# Altium PCB MB1397.PcbDoc (part 4 of 11) (continued)
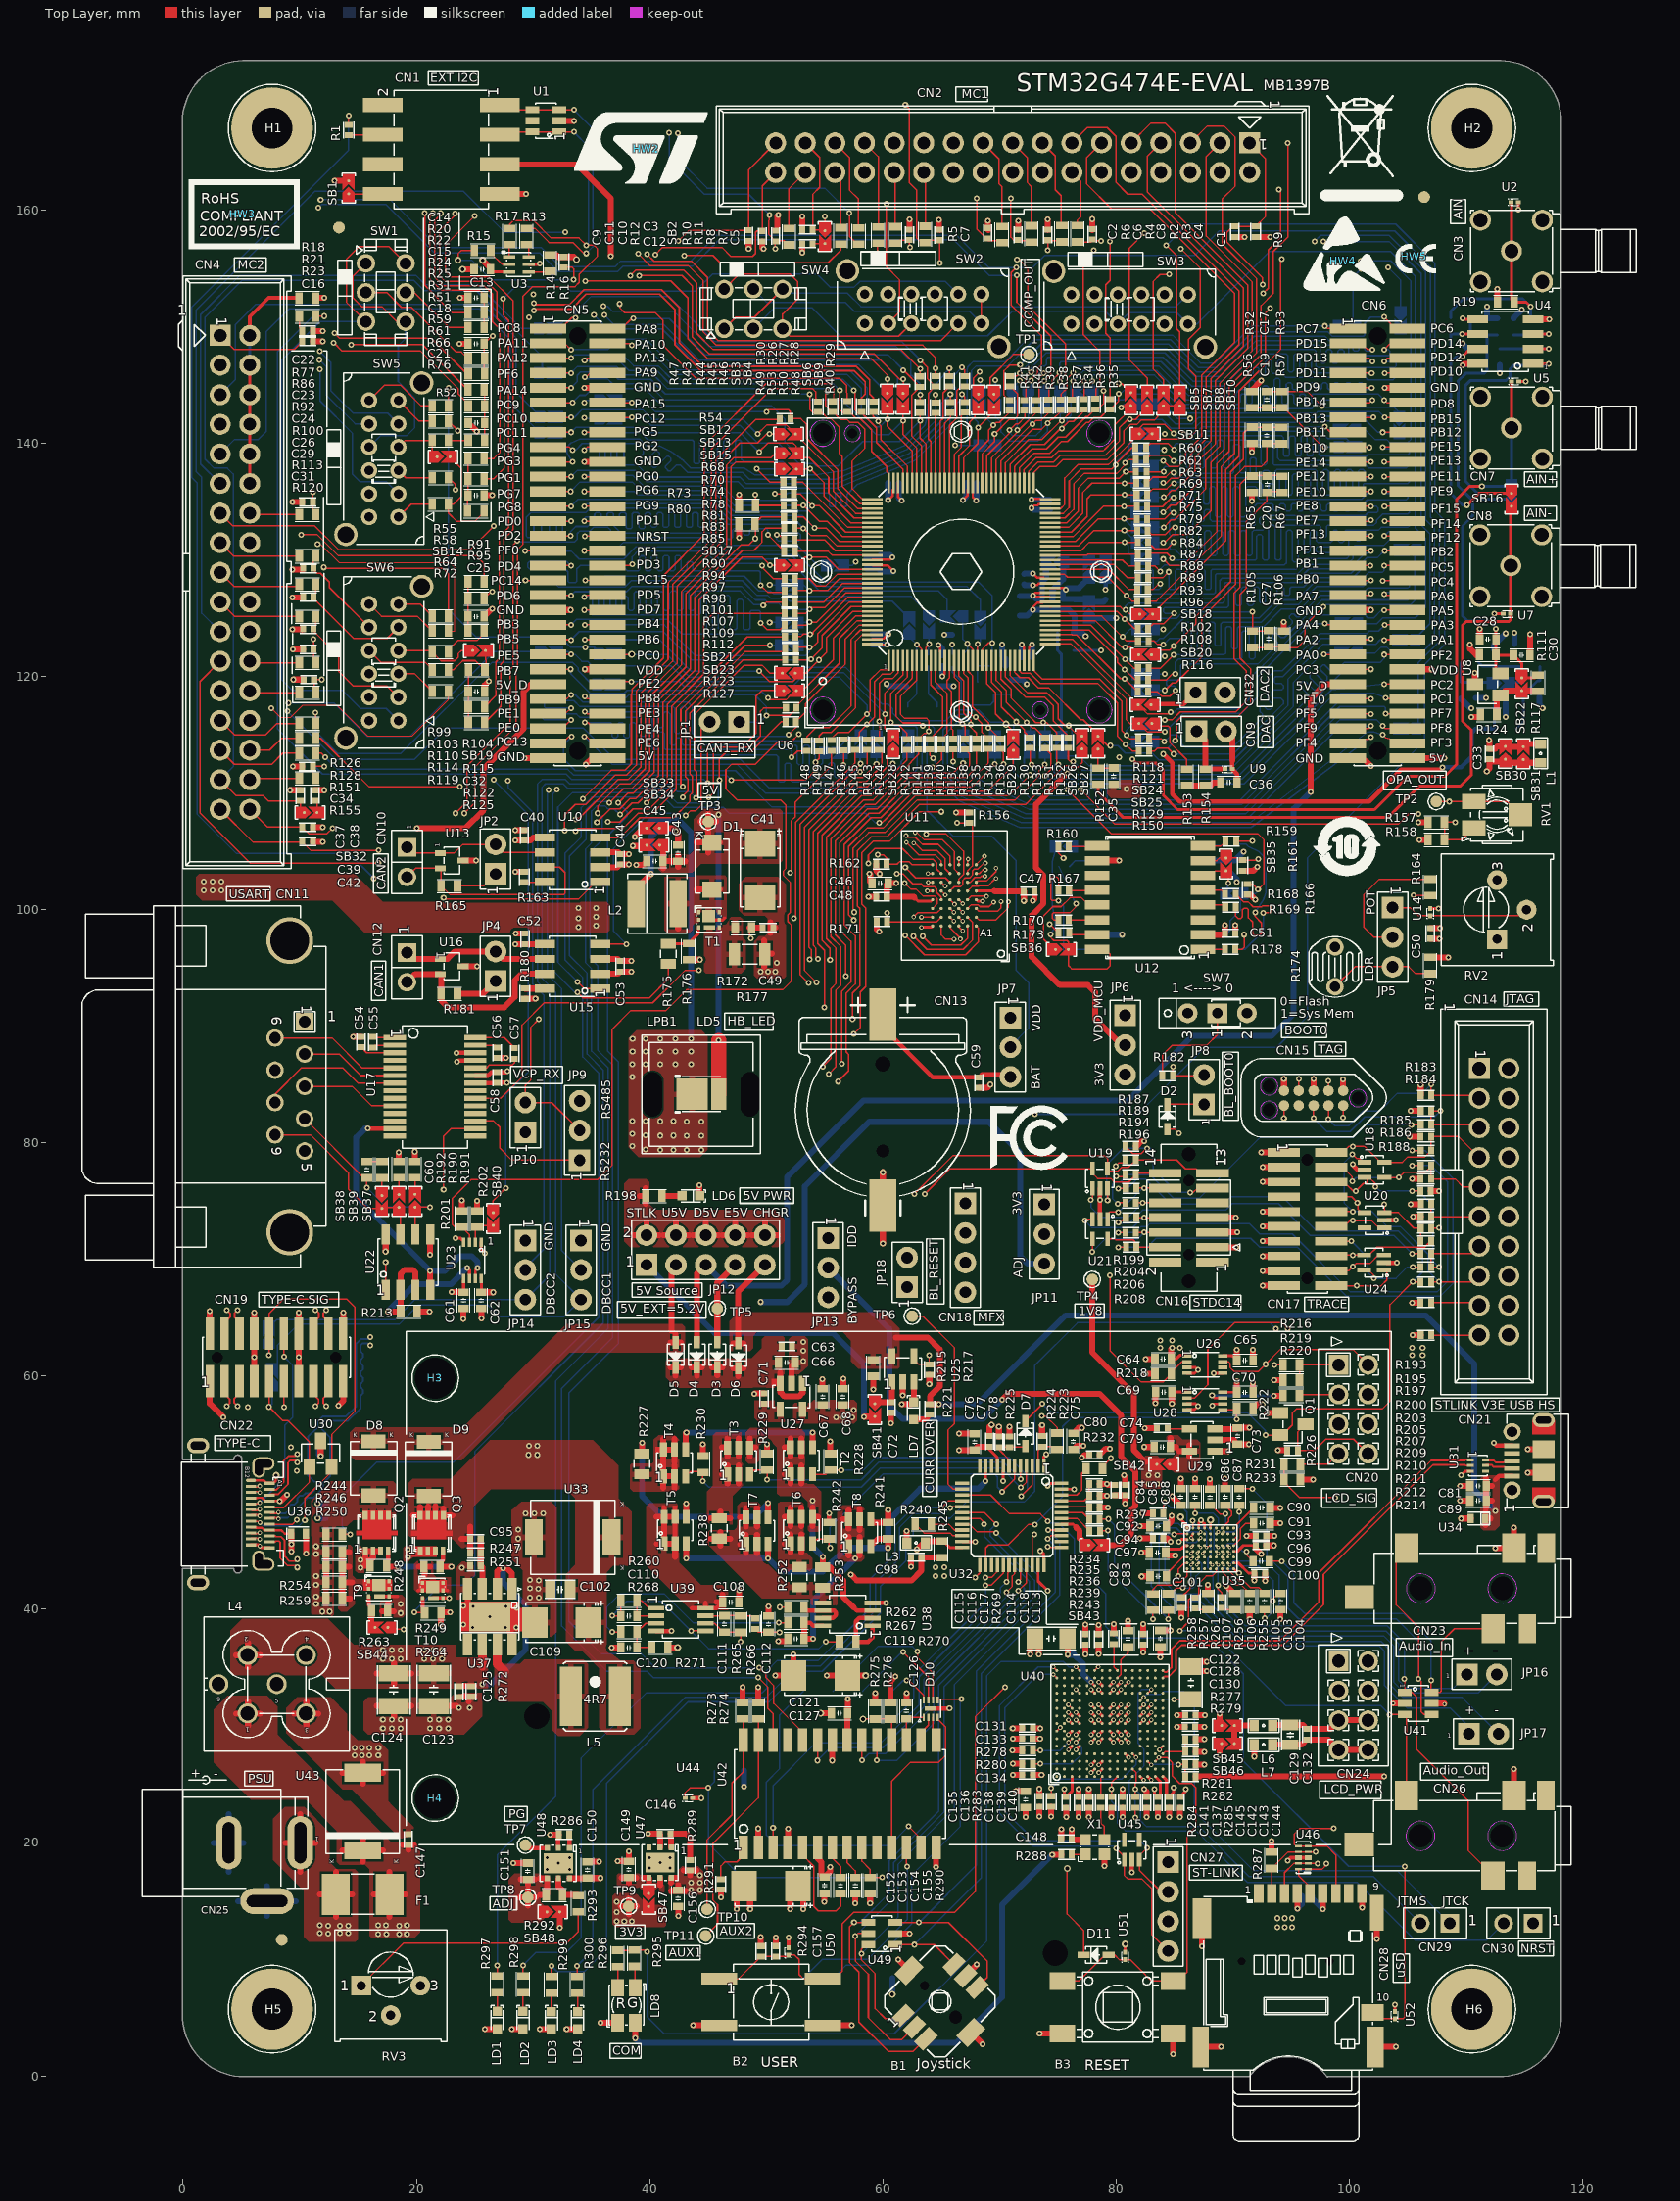
[diagram p0: Top Layer view]
## Nets (pads, with @x,y where several pads share a name; then routed paths per layer and width w, separated by ;. In a path a pad name is that pad's centre, name@x,y a point inside that pad or via, vN(x,y) a via of type N, cw(c..) or ccw(c..) an arc to the next point about the centre after c; other vN are vias at no path point) (continued)
AGND: C28.1 C30.1 C33.1 C35.2 C36.2 C158.1 C158.2 C159.1 C166.1 C167.2 C168.1 C169.1 C170.1 C171.1 C179.1 C180.1 CN3.2 CN3.3 CN3.4 CN3.5 CN7.2 CN7.3 CN7.4 CN7.5 CN8.2 CN8.3 CN8.4 CN8.5 CN9.2 L1.2 R19.1 R124.1 R301.2 R307.2 R311.1 SB30.2 SB31.2 U2.2 U4.4 U5.2 U6.42 U7.2 U8.3 U9.2 U53.5 | length 37.9
  Top Layer w0.203: v1(72.87,125.71) 72.87,125.93 73.255,126.314 U6.42@73.678,126.314
  Top Layer w0.254: v1(112.415,125.349) U7.2@113.191,125.349 ; v1(114.485,160.017) U2.2@114.485,160.655 ; U5.2@114.508,145.288 v1(115.113,145.288)
  Top Layer w0.381: 89.946,112.766 U9.2@89.947,112.042 90.361,111.625 C36.2@90.362,110.894
  Top Layer w0.508: CN9.2@89.417,115.279 89.946,114.747 89.946,112.766 ; v1(110.462,116.507) 111.042,116.507 R124.1@111.233,116.698 ; U8.3@110.759,119.301 v1(110.759,120.274) ; C28.1@111.158,123.175 v1(111.158,124.051) ; v1(111.963,114.51) 112.003,114.47 C33.1@112.003,113.785 112.489,113.785 112.684,113.979 SB30.2@113.365,113.979 113.384,113.96 SB31.2@114.907,113.96 115.126,114.179 L1.2@116.383,114.179 ; R19.1@112.682,152.067 v1(112.682,153.21) ; C30.1@115.471,121.808 v1(115.471,123.619) ; U4.4@115.735,150.607 v1(117.13,150.607)
  Bottom Layer w0.508: C166.1@71.727,125.181 72.342,125.181 v1(72.87,125.71) 75.923,125.71 76.134,125.498 76.424,125.206 76.426,125.204 76.426,123.807 76.365,123.746 77.061,123.746 v1(77.379,123.429) ; C180.1@109.573,118.095 109.573,118.031 110.335,117.269 v1(110.462,117.269) ; v1(109.675,148.537) 110.142,148.069 C159.1@110.716,148.069 ; C179.1@110.843,118.143 v1(111.724,118.143) ; v1(111.798,151.686) 111.798,150.67 C158.1@112.682,150.67 ; R311.1@112.367,122.288 R311.1@112.367,122.308 112.367,122.649 v1(113.383,123.665) ; v1(112.903,145.971) R307.2@112.903,146.703 ; C158.2@114.082,150.67 114.082,150.729 v1(114.788,151.432) ; U53.5@114.141,122.743 v1(114.14,123.741)
  other v1: 80.891,110.34 81.844,110.373 80.236,113.078
AMP_5V: C119.2 R267.2 T8.1 T8.2 T8.5 T8.6 U38.8 | length 19.7
  Top Layer w0.381: R267.2@53.239,38.851 53.754,38.849 54.013,38.59 U38.8@54.848,38.59
  Top Layer w0.508: R267.2@53.239,38.851 C119.2@53.239,37.472 v1(53.99,37.47) ; 56.573,45.408 T8.1@57.051,45.409 ; 56.573,47.709 T8.6@57.051,47.709 ; 57.051,44.63 T8.1@57.051,45.409 ; 57.051,46.187 T8.1@57.051,45.409 ; 57.051,46.932 T8.6@57.051,47.709 ; 57.051,48.486 T8.6@57.051,47.709 ; 58.001,44.63 T8.2@58.001,45.409 58.001,46.187 ; 58.001,46.794 T8.5@58.001,47.709 58.001,48.578
  Bottom Layer w0.508: v1(53.99,37.47) 53.99,40.731 v1(57.63,44.371)
AMP_VDD: C108.2 T5.1 T5.2 T5.5 T5.6 U39.8 | length 11
  Top Layer w0.381: 43.624,40.089 U39.8@44.78,40.091 ; 44.78,40.538 U39.8@44.78,40.091 ; C108.2@46.255,40.607 C108.2@46.255,40.607 ; C108.2@46.256,40.607 45.738,40.089 U39.8@44.78,40.091
  Top Layer w0.508: 40.582,47.93 T5.6@41.234,47.93 ; 40.593,45.63 T5.1@41.234,45.63 ; 42.184,44.504 T5.2@42.184,45.63 T5.1@41.234,45.63 ; T5.5@42.184,47.93 T5.6@41.234,47.93 ; 45.756,40.607 C108.2@46.255,40.607 ; C108.2@46.256,40.607 46.256,41.229 ; T5.1@41.234,45.63 T5.6@41.234,47.93
Audio_INT: R43.2 U35.G3 | length 170.5
  Top Layer w0.102: R43.2@55.702,143.571 55.776,143.645 55.776,144.145
  Top Layer w0.127: v1(34.262,109.497) 36.7,111.935 37.869,111.935 38.428,112.494 38.428,118.514 38.478,118.565 38.478,118.877 41.171,121.569 41.171,128.623 44.651,132.103 44.651,139.774 49.959,145.082 55.344,145.082 55.776,144.65 55.776,144.145 ; v4(86.916,43.805) U35.G3@87.077,43.966
  L4_SIG w0.102: v1(34.262,109.497) 35.481,109.497 37.437,107.541 37.437,94.917 38.428,93.927 52.398,93.927 53.871,92.453 57.173,92.453 57.49,92.136 62.366,92.136 64.376,90.128 64.376,83.622 67.508,80.49 77.747,80.49 78.356,81.1 82.603,81.1 83.462,80.241 83.462,79.04 85.213,77.29 85.862,77.29 85.962,77.39 86.507,77.39 87.043,76.854 87.043,67.873 81.252,62.082 81.252,52.423 81.582,52.093 81.582,48.715 81.125,48.257 81.125,44.371 81.633,43.863 82.522,43.863 83.053,43.332 86.444,43.332 v4(86.916,43.805)
BK_Drive: R26.1 R175.1 | length 121.3
  Top Layer w0.127: v1(33.805,92.911) 34.287,92.428 39.977,92.428 41.6,94.051 R175.1@41.6,95.322 ; v1(39.012,156.233) 40.053,155.191 43.33,155.191 44.564,153.957 44.564,149.543 45.723,148.384 63.421,148.384 64.501,147.305 v1(64.501,146.393) R26.1@64.501,145.738
  L4_SIG w0.102: v1(32.052,110.284) 31.544,110.792 29.182,110.792 25.651,114.323 25.651,139.012 32.21,145.57 33.607,145.57 34.135,146.098 37.945,146.098 40.104,148.257 40.104,155.141 v1(39.012,156.233)
  Bottom Layer w0.127: v1(32.052,110.284) 31.697,109.929 31.697,94.79 33.576,92.911 v1(33.805,92.911)
BOOT0: JP8.2 R123.1 R182.1 | length 69.9
  Top Layer w0.127: v1(45.057,109.598) 45.463,110.005 45.463,113.739 45.644,113.919 48.565,113.919 49.502,114.856 49.502,117.015 49.756,117.269 51.674,117.269 R123.1@51.674,117.299 ; v1(84.859,86.535) R182.1@84.86,85.75 87.475,85.748 JP8.2@87.538,85.81
  L4_SIG w0.102: v1(45.057,109.598) 47.216,109.598 52.778,104.037 52.778,101.167 55.89,98.054 58.252,98.054 59.764,96.543 63.878,96.543 68.984,91.437 68.984,87.805 69.705,87.084 84.313,87.084 v1(84.859,86.535)
C1_CC1: CN19.9 CN22.A5 SB122.1 U30.1 | length 16.8
  Top Layer w0.127: CN19.9@7.366,59.56 v1(7.366,57.353) 8.537,56.182 8.989,56.182 10.833,54.338 10.833,50.914 8.633,48.715 7.483,48.715 CN22.A5@7.414,48.783
  Bottom Layer w0.127: v1(7.366,57.353) 7.62,57.607 SB122.1@7.62,59.381
C1_CC2: CN19.10 CN22.B5 SB121.1 U30.2 | length 38
  Top Layer w0.127: CN22.B5@5.814,47.534 6.487,47.534 v2(6.591,47.429) ; v1(7.366,61.798) CN19.10@7.366,63.63 7.366,65.354 8.608,66.596 14.023,66.596 14.704,65.916 14.704,56.944 12.733,54.973 12.733,51.798 10.437,49.502 v1(10.437,47.648)
  Bottom Layer w0.127: v2(6.591,47.429) 6.855,47.165 9.954,47.165 v1(10.437,47.648) ; SB121.1@7.338,63.05 SB121.1@7.338,63.048 7.338,61.826 v1(7.366,61.798)
C1_RX1+: CN19.4 CN22.B11 | length 26.6
  Top Layer w0.155: CN19.4@3.556,63.63 3.556,64.572 4.021,65.037 4.021,65.357 v1(3.724,65.657) ; CN22.B11@5.816,50.534 5.875,50.472 6.477,50.472 v2(6.566,50.561)
  L4_SIG w0.13: v1(3.724,65.657) 4,65.38 4,60.775 2.512,59.286 2.512,55.136 3.472,54.176 5.723,54.176 5.9,53.998 6.159,53.998 6.337,54.176 6.596,54.176 6.774,53.998 7.033,53.998 7.211,54.176 7.536,54.176 8.735,52.977 8.735,52.603 8.583,52.451 8.583,52.192 8.735,52.04 8.735,51.78 8.583,51.628 8.583,51.369 8.735,51.217 8.735,50.775 8.432,50.472 6.655,50.472 v2(6.566,50.561)
C1_RX1-: CN19.6 CN22.B10 | length 26.7
  Top Layer w0.155: v1(4.661,65.657) 4.402,65.398 4.402,65.052 4.826,64.628 CN19.6@4.826,63.63 ; CN22.B10@5.816,50.034 5.875,50.091 6.477,50.091 v2(6.566,50.002)
  L4_SIG w0.13: v1(4.661,65.657) 4.381,65.378 4.381,60.617 2.893,59.129 2.893,55.293 3.63,54.557 7.694,54.557 9.116,53.134 9.116,50.618 8.59,50.091 6.655,50.091 v2(6.566,50.002)
C1_RX2+: CN19.17 CN22.A11 | length 24.6
  Top Layer w0.155: CN22.A11@7.416,45.784 7.919,45.784 7.978,45.843 8.204,45.843 8.317,45.731 8.317,44.377 8.948,43.746 9.606,43.746 v1(9.771,43.581) ; v1(12.278,57.407) 12.002,57.683 12.002,58.052 12.446,58.496 CN19.17@12.446,59.56
  L4_SIG w0.13: v1(9.771,43.581) 9.936,43.746 11.951,43.746 13.815,45.611 13.815,46.86 14.374,47.419 14.374,54.353 12.002,56.726 12.002,57.127 v1(12.278,57.407)
C1_RX2-: CN19.15 CN22.A10 | length 24.5
  Top Layer w0.155: CN22.A10@7.416,46.284 7.919,46.284 7.978,46.224 8.362,46.224 8.698,45.888 8.698,44.535 9.106,44.127 9.606,44.127 v1(9.771,44.293) ; CN19.15@11.176,59.56 11.176,58.44 11.62,57.996 11.62,57.683 v1(11.341,57.407)
  L4_SIG w0.13: v1(9.771,44.293) 9.936,44.127 11.793,44.127 12.029,44.364 12.029,44.643 12.212,44.826 12.492,44.826 12.675,45.009 12.675,45.288 12.857,45.471 13.137,45.471 13.434,45.768 13.434,47.018 13.993,47.577 13.993,47.902 13.84,48.054 13.84,48.313 13.993,48.466 13.993,48.725 13.84,48.877 13.84,49.136 13.993,49.289 13.993,54.196 11.62,56.568 11.62,57.127 v1(11.341,57.407)
C1_SBU1: CN19.11 CN22.A8 | length 16.1
  Top Layer w0.127: CN22.A8@7.414,47.282 9.36,47.282 v1(9.751,47.673) ; v1(8.636,57.325) CN19.11@8.636,59.56
  L4_SIG w0.102: v1(8.636,57.325) 8.636,56.916 11.275,54.277 11.275,50.061 9.751,48.537 v1(9.751,47.673)
C1_SBU2: CN19.12 CN22.B8 | length 16.8
  Top Layer w0.127: CN22.B8@5.814,49.032 6.469,49.032 v2(6.566,49.131) ; v1(8.636,61.671) CN19.12@8.636,63.63
  Bottom Layer w0.127: v2(6.566,49.131) 8.735,51.298 8.735,55.801 9.37,56.436 9.37,60.937 v1(8.636,61.671)
C1_TX1+: CN19.3 CN22.A2 | length 17.4
  Top Layer w0.155: CN19.3@3.556,59.56 3.556,58.44 4,57.996 4,57.683 v1(3.721,57.407) ; CN22.A2@7.416,50.284 7.476,50.224 7.954,50.224 8.61,50.88 8.61,52.72 9.037,53.147 9.608,53.147 v1@9.773,53.312
  L4_SIG w0.13: v1(3.721,57.407) 4,57.127 4,56.218 4.417,55.801 6.195,55.801 6.373,55.623 6.632,55.623 6.81,55.801 7.069,55.801 7.247,55.623 7.506,55.623 7.683,55.801 8.197,55.801 8.39,55.608 8.39,55.359 8.572,55.176 8.821,55.176 9.004,54.994 9.004,54.745 9.187,54.562 9.436,54.562 10.259,53.739 10.259,53.292 10.112,53.144 9.936,53.144 v1(9.771,53.31)
C1_TX1-: CN19.5 CN22.A3 | length 17.5
  Top Layer w0.155: v1(4.658,57.407) 4.381,57.683 4.381,58.052 4.826,58.496 CN19.5@4.826,59.56 ; CN22.A3@7.414,49.784 CN22.A3@7.416,49.784 7.476,49.843 8.112,49.843 8.991,50.722 8.991,52.562 9.195,52.766 9.608,52.766 v1@9.773,52.6 ; CN22.A3@7.416,49.784 CN22.A3@7.416,49.784
  L4_SIG w0.13: v1(4.658,57.407) 4.381,57.127 4.381,56.375 4.575,56.182 8.354,56.182 10.64,53.896 10.64,53.134 10.269,52.763 9.936,52.763 v1(9.771,52.598)
C1_TX2+: CN19.18 CN22.B2 | length 30.1
  Top Layer w0.155: CN22.B2@5.816,46.034 5.876,46.093 6.477,46.093 v2(6.566,46.004) ; v1(12.281,65.657) 12.022,65.398 12.022,65.052 12.446,64.628 CN19.18@12.446,63.63
  L4_SIG w0.13: v2(6.566,46.004) 6.655,46.093 6.805,46.093 7.054,45.844 8.615,45.844 9.354,46.584 11.994,46.584 12.672,47.261 12.672,54.404 10.386,56.69 10.386,58.311 12.002,59.926 12.002,65.378 v1(12.281,65.657)
C1_TX2-: CN19.16 CN22.B3 | length 30.1
  Top Layer w0.155: CN22.B3@5.816,46.534 5.876,46.474 6.477,46.474 v2(6.566,46.563) ; CN19.16@11.176,63.63 11.176,64.572 11.641,65.037 11.641,65.357 v1(11.344,65.657)
  L4_SIG w0.13: v2(6.566,46.563) 6.655,46.474 6.962,46.474 7.211,46.225 8.457,46.225 9.196,46.965 11.836,46.965 12.291,47.419 12.291,48.034 12.113,48.212 12.113,48.471 12.291,48.649 12.291,48.908 12.113,49.086 12.113,49.345 12.291,49.522 12.291,49.781 12.113,49.959 12.113,50.218 12.291,50.396 12.291,50.655 12.113,50.833 12.113,51.092 12.291,51.27 12.291,54.247 10.005,56.533 10.005,58.468 11.62,60.084 11.62,65.38 v1(11.344,65.657)
CAL: R228.1 T2.3 U32.3 | length 24.6
  Top Layer w0.127: T2.3@53.957,51.57 55.133,51.57 55.491,51.928 v1(56.424,51.928) ; v1(71.854,49.705) 72.807,50.658 U32.3@72.807,52.292
  Bottom Layer w0.127: v1(56.424,51.928) 58.329,51.928 59.408,53.007 70.838,53.007 72.362,51.483 72.362,50.213 v1(71.854,49.705)
CAL_D: R253.2 T2.1 T2.2 T2.5 T2.6 T3.4 T6.4 U38.3 | length 24
  Top Layer w0.381: 57.485,40.162 57.757,39.891 U38.3@59.098,39.891
  Top Layer w0.508: 48.58,53.094 T3.4@48.58,53.871 ; 48.58,54.648 T3.4@48.58,53.871 ; 49.058,53.871 T3.4@48.58,53.871 ; 51.58,51.57 T2.1@52.057,51.57 ; 51.58,53.871 T2.6@52.057,53.871 ; 52.057,50.792 T2.1@52.057,51.57 ; 52.057,52.349 T2.1@52.057,51.57 ; 52.057,53.094 T2.6@52.057,53.871 ; 52.057,54.648 T2.6@52.057,53.871 ; 53.007,50.792 53.007,52.349 ; 53.007,53.094 53.007,54.648 ; 53.957,47.147 T6.4@53.957,47.927 ; 53.957,48.705 T6.4@53.957,47.927 ; 54.435,47.925 T6.4@53.957,47.927 ; R253.2@54.836,43.594 R253.2@54.839,43.594 ; v1(54.839,44.498) R253.2@54.839,43.594 ; 57.485,40.162 56.614,41.034 56.614,42.466 55.486,43.594 R253.2@54.839,43.594
  Bottom Layer w0.508: v1(53.947,49.324) 53.947,45.387 v1(54.839,44.498)
CAN1H: CN12.1 JP4.2 U15.6 U16.1 | length 12.6
  Top Layer w0.508: CN12.1@19.186,96.307 19.718,95.773 22.672,95.773 23.292,96.393 JP4.2@26.782,96.394 27.417,95.758 U15.6@31.011,95.759
CAN1L: CN12.2 R181.1 U15.7 U16.2 | length 16.6
  Top Layer w0.508: CN12.2@19.186,93.767 CN12.2@19.186,93.767 19.893,94.473 U16.2@22.048,94.474 22.121,94.402 R181.1@22.121,92.786 ; R181.1@22.12,92.788 R181.1@22.121,92.786 ; U15.7@31.011,94.489 29.007,94.488 28.42,93.901 28.42,92.504 27.531,91.615 22.705,91.615 22.121,92.199 R181.1@22.121,92.786
CAN2H: CN10.1 JP2.2 U10.6 U13.1 | length 12.6
  Top Layer w0.127: CN10.1@19.186,105.33 19.68,104.833 23.226,104.833 23.975,105.583 JP2.2@26.782,105.584 27.465,104.899 U10.6@31.011,104.901
CAN2L: CN10.2 R165.1 U10.7 U13.2 | length 19.4
  Top Layer w0.127: CN10.2@19.186,102.79 CN10.2@19.186,102.79 19.931,103.533 22.05,103.533 22.121,103.462 R165.1@22.121,102.027 22.88,101.267 32.611,101.267 32.738,101.394 32.738,103.172 32.281,103.629 U10.7@31.011,103.631
CMOP6_OUT: SB9.1 TP1.1 | length 5.8
  Top Layer w0.127: SB9.1@69.642,144.178 69.187,144.633 69.187,145.59 71.183,147.587 TP1.1@72.517,147.588
CON1_CC1: JP15.3 SB21.2 SB122.2 | length 106.8
  Top Layer w0.127: v1(43.978,109.573) 43.978,109.611 44.041,109.675 44.041,111.808 43.812,112.037 43.812,116.665 48.1,120.952 49.629,120.952 50.315,120.269 SB21.2@51.387,120.269
  Bottom Layer w0.127: SB122.2@7.62,60.48 8.1,60.96 8.1,62.659 9.878,64.437 18.514,64.437 20.165,66.088 26.134,66.088 27.15,65.072 32.642,65.072 JP15.3@34.117,66.548 31.951,68.712 31.951,92.911 30.782,94.079 30.782,110.487 31.062,110.767 32.586,110.767 32.967,110.386 42.085,110.386 42.39,110.081 43.47,110.081 v1(43.978,109.573)
CON1_CC2: JP14.3 SB96.2 SB121.2 | length 98.8
  Top Layer w0.127: v1@42.669,110.716 42.669,117.14 48.186,122.657 v1(50.317,122.657)
  Bottom Layer w0.127: SB121.2@7.338,64.15 SB121.2@7.338,64.148 SB121.2@7.338,64.148 8.006,64.818 18.133,64.818 19.863,66.548 JP14.3@29.337,66.548 31.443,68.654 31.443,92.758 30.376,93.825 30.376,110.741 30.782,111.148 32.763,111.148 33.144,110.767 42.619,110.767 42.835,110.551 v1(42.835,110.538) ; v1(50.317,122.657) SB96.2@51.372,122.657
D0: CN6.4 R29.2 U11.B6 | length 120.6
  Top Layer w0.127: v2(63.294,99.334) U11.B6@64.249,99.335 ; R29.2@70.903,145.738 71.468,145.738 v1(71.727,145.997) ; v1(102.969,148.003) 103.505,148.539 CN6.4@104.965,148.541
  L4_SIG w0.102: v2(63.294,99.334) 62.939,99.69 62.939,102.817 65.885,105.763 67.282,105.763 71.067,109.548 84.884,109.548 86.891,111.554 89.617,111.554 91.618,113.553 91.618,121.031 92.784,122.197 92.784,141.501 95.4,144.117 100.073,144.117 100.15,144.193 100.15,147.216 100.429,147.495 102.08,147.495 102.461,147.876 102.842,147.876 v1(102.969,148.003)
  Bottom Layer w0.127: v1(71.727,145.997) 73.835,148.105 84.333,148.105 86.746,145.692 88.908,145.692 91.981,148.765 97.732,148.765 98.113,148.384 99.794,148.384 99.919,148.26 99.919,147.622 100.048,147.495 103.35,147.495 103.477,147.622 103.477,147.876 103.35,148.003 v1(102.969,148.003)
D1: CN6.3 R40.2 U11.C5 | length 123.9
  Top Layer w0.127: v2(62.634,99.362) 63.015,99.743 64.658,99.743 U11.C5@64.999,100.085 U11.C5@64.999,100.086 ; R40.2@70.902,143.579 70.823,143.657 70.381,144.097 70.381,146.2 70.863,146.682 v1(71.752,146.682) ; CN6.3@99.865,148.541 99.865,148.542 101.036,148.542 101.572,148.003 v1(101.953,148.003)
  L4_SIG w0.102: v2(62.634,99.362) 62.634,102.969 65.809,106.144 67.18,106.144 70.889,109.852 84.681,109.852 86.764,111.935 89.507,111.935 91.264,113.692 91.264,121.286 92.453,122.476 92.453,139.215 92.479,139.24 92.479,141.628 95.273,144.422 99.667,144.422 99.845,144.6 99.845,147.343 100.505,148.003 v1(101.953,148.003)
  Bottom Layer w0.127: v1(71.752,146.682) 73.556,148.486 84.493,148.486 86.906,146.073 88.75,146.073 91.824,149.146 97.889,149.146 98.27,148.765 100.173,148.765 100.3,148.638 100.3,148.003 100.427,147.876 100.681,147.876 100.808,148.003 100.808,148.638 100.935,148.765 101.189,148.765 101.318,148.636 101.318,148.003 101.445,147.876 101.826,147.876 v1(101.953,148.003)
D2: CN5.27 R83.2 U11.C6 | length 123.6
  Top Layer w0.127: CN5.27@31.285,133.301 v1(33.246,133.299) ; v1(50.899,132.128) 51.087,132.128 R83.2@51.522,131.695 ; v1(61.846,102.283) 62.405,101.724 62.862,101.724 63.421,101.166 64.412,101.166 64.64,100.937 64.64,100.477 64.249,100.086 U11.C6@64.249,100.085
  L4_SIG w0.102: v1(33.246,133.299) 33.246,133.883 33.348,133.985 35.961,133.985 36.167,133.779 36.167,127.302 36.446,127.023 41.907,127.023 43.284,125.646 43.284,125.504 42.385,124.605 42.385,124.463 42.53,124.318 42.672,124.318 43.571,125.217 43.713,125.217 43.858,125.072 43.858,124.93 42.962,124.031 42.962,123.889 43.104,123.744 43.249,123.744 44.145,124.64 44.29,124.64 44.432,124.498 44.432,124.353 43.536,123.457 43.536,123.312 43.68,123.167 43.823,123.167 44.722,124.066 44.864,124.066 45.009,123.922 45.009,123.779 44.11,122.88 44.11,122.738 44.254,122.593 44.399,122.593 45.296,123.492 45.441,123.492 45.583,123.347 45.583,123.203 44.686,122.306 44.686,122.161 44.831,122.019 44.973,122.019 45.87,122.916 46.015,122.916 46.159,122.771 46.159,122.629 45.26,121.73 45.26,121.587 45.405,121.442 45.547,121.442 46.446,122.342 46.589,122.342 46.733,122.197 46.733,122.055 45.837,121.155 45.837,121.013 45.979,120.868 46.124,120.868 47.02,121.765 47.165,121.765 47.307,121.623 47.307,121.478 46.411,120.581 46.411,120.437 46.556,120.292 46.698,120.292 47.597,121.191 47.739,121.191 47.902,121.028 47.902,120.774 47.14,120.012 47.14,119.733 48.816,118.057 48.816,114.805 53.109,110.513 56.639,110.513 56.779,110.373 56.779,108.811 57.059,108.532 61.237,108.532 61.44,108.328 61.44,103.426 61.719,103.147 61.719,102.41 v1(61.846,102.283)
  Bottom Layer w0.127: v1(33.246,133.299) 32.647,133.299 32.52,133.172 32.52,132.027 32.393,131.9 32.139,131.9 32.012,132.027 32.012,133.426 31.885,133.553 31.504,133.553 31.377,133.426 31.377,132.027 31.25,131.9 30.869,131.9 30.706,132.062 30.706,133.426 30.579,133.553 30.226,133.553 30.071,133.398 30.071,132.001 29.969,131.9 29.538,131.9 29.436,132.001 29.436,133.652 29.817,134.033 34.516,134.033 34.897,134.414 45.314,134.414 46.711,133.017 51.534,133.017 51.661,132.89 51.661,132.382 51.788,132.255 52.804,132.255 52.931,132.128 52.931,131.747 52.804,131.62 51.026,131.62 50.899,131.747 v1(50.899,132.128)
D3: CN5.28 R85.2 U11.D5 | length 124
  Top Layer w0.127: v1(34.389,133.299) CN5.28@36.385,133.301 ; v1(50.137,132.128) 50.264,132.001 50.264,131.999 51.544,130.724 R85.2@51.544,130.708 ; v1(61.173,103.058) 61.707,103.058 62.558,102.207 63.269,102.207 63.523,101.953 64.412,101.953 64.618,101.75 64.618,101.445 64.999,101.062 U11.D5@64.999,100.835
  L4_SIG w0.102: v1(34.389,133.299) 34.976,133.299 35.811,132.464 35.811,126.87 35.964,126.718 39.52,126.718 40.137,126.101 40.282,126.101 40.696,126.515 40.841,126.515 40.983,126.373 40.983,126.228 40.569,125.814 40.569,125.669 40.731,125.506 40.874,125.506 41.862,126.495 42.004,126.495 42.149,126.35 42.149,126.208 41.161,125.219 41.161,125.077 41.305,124.932 41.45,124.932 42.436,125.921 42.581,125.921 42.723,125.776 42.723,125.631 41.737,124.645 41.737,124.501 43.457,122.781 43.457,121.036 43.558,120.934 44.912,120.934 45.014,120.833 45.014,120.63 44.912,120.528 43.558,120.528 43.457,120.426 43.457,120.18 43.558,120.079 45.895,120.079 45.997,119.977 45.997,119.774 45.895,119.672 43.558,119.672 43.457,119.571 43.457,119.367 43.558,119.266 46.004,119.266 46.106,119.164 46.106,118.961 46.004,118.859 43.558,118.859 43.457,118.758 43.457,118.555 43.558,118.453 46.004,118.453 46.106,118.351 46.106,118.148 46.004,118.047 43.558,118.047 43.457,117.945 43.457,114.628 43.609,114.475 48.715,114.475 52.982,110.208 56.373,110.208 56.474,110.106 56.474,108.684 56.932,108.227 60.856,108.227 61.084,107.998 61.084,103.147 v1(61.173,103.058)
  Bottom Layer w0.127: v1(34.389,133.299) 34.389,133.525 34.516,133.652 35.151,133.652 35.278,133.779 35.278,133.906 35.405,134.033 35.707,134.033 35.834,133.906 35.834,133.703 35.961,133.576 36.215,133.576 36.342,133.703 36.342,133.906 36.469,134.033 36.784,134.033 36.911,133.906 36.911,133.449 37.038,133.322 37.292,133.322 37.419,133.449 37.419,133.906 37.546,134.033 37.856,134.033 37.983,133.906 37.983,132.763 38.11,132.636 38.364,132.636 38.491,132.763 38.491,133.906 38.618,134.033 38.961,134.033 39.088,133.906 39.088,132.763 39.215,132.636 39.469,132.636 39.596,132.763 39.596,133.906 39.723,134.033 39.977,134.033 40.104,133.906 40.104,132.89 40.231,132.763 40.485,132.763 40.612,132.89 40.612,133.906 40.739,134.033 40.993,134.033 41.12,133.906 41.12,132.89 41.247,132.763 41.501,132.763 41.628,132.89 41.628,133.906 41.755,134.033 42.009,134.033 42.136,133.906 42.136,132.89 42.263,132.763 42.517,132.763 42.644,132.89 42.644,133.906 42.771,134.033 43.025,134.033 43.152,133.906 43.152,132.89 43.279,132.763 43.533,132.763 43.66,132.89 43.66,133.906 43.787,134.033 44.041,134.033 44.168,133.906 44.168,132.89 44.295,132.763 44.549,132.763 44.676,132.89 44.676,133.906 44.803,134.033 45.057,134.033 45.184,133.906 45.184,132.763 45.311,132.636 45.565,132.636 45.692,132.763 45.692,133.017 45.819,133.144 46.045,133.144 46.579,132.611 46.579,131.874 46.706,131.747 46.96,131.747 47.087,131.874 47.087,132.509 47.214,132.636 47.937,132.636 48.064,132.509 48.064,132.212 48.191,132.085 48.445,132.085 48.572,132.212 48.572,132.509 48.699,132.636 50.01,132.636 50.137,132.509 v1(50.137,132.128)
D4: CN6.27 R84.1 U11.E5 | length 122.5
  Top Layer w0.127: U11.E5@64.999,101.585 v2(65.347,101.237) ; R84.1@82.737,131.489 82.738,131.488 83.292,130.934 84.376,130.934 v1(84.935,131.493) ; CN6.27@99.865,133.301 101.727,133.299 v1(101.826,133.398)
  L4_SIG w0.102: v2(65.347,101.237) 66.18,101.237 66.281,101.135 66.281,100.957 66.383,100.856 66.586,100.856 66.713,100.983 66.713,101.618 66.815,101.719 67.13,101.719 67.231,101.618 67.231,100.307 67.666,99.873 67.668,99.873 68.306,99.235 73.022,99.235 73.607,99.819 73.607,101.597 74.521,102.512 74.521,104.62 75.08,105.179 76.375,105.179 76.477,105.077 76.477,103.172 76.578,103.071 76.782,103.071 76.883,103.172 76.883,105.077 76.985,105.179 77.188,105.179 77.29,105.077 77.29,103.172 77.391,103.071 77.594,103.071 77.696,103.172 77.696,105.077 77.798,105.179 78.001,105.179 78.102,105.077 78.102,103.172 78.204,103.071 81.785,103.071 82.68,103.965 82.822,103.965 83.061,103.726 83.203,103.726 83.348,103.871 83.348,104.013 83.109,104.252 83.109,104.394 83.271,104.557 83.416,104.557 83.817,104.155 83.962,104.155 84.104,104.297 84.104,104.442 83.703,104.844 83.703,104.988 83.894,105.179 84.31,105.179 84.412,105.077 84.412,104.645 84.513,104.544 84.717,104.544 84.818,104.645 84.818,105.077 84.92,105.179 89.502,105.179 96.086,111.763 96.086,119.07 99.007,121.991 99.007,127.079 100.559,128.626 100.559,132.958 100.9,133.299 101.727,133.299 v1(101.826,133.398)
  Bottom Layer w0.127: v1(84.935,131.493) 84.712,131.493 84.585,131.366 84.585,130.97 84.712,130.843 85.047,130.843 85.54,130.35 87.348,130.35 87.602,130.604 87.602,132.357 87.729,132.484 87.983,132.484 88.11,132.357 88.11,130.477 88.237,130.35 88.491,130.35 88.618,130.477 88.618,132.357 88.745,132.484 88.999,132.484 89.126,132.357 89.126,130.477 89.253,130.35 89.507,130.35 89.634,130.477 89.634,132.357 89.761,132.484 90.015,132.484 90.142,132.357 90.142,130.477 90.269,130.35 90.523,130.35 90.65,130.477 90.65,132.357 90.777,132.484 91.031,132.484 91.158,132.357 91.158,130.477 91.285,130.35 91.539,130.35 91.666,130.477 91.666,132.382 91.793,132.509 92.555,132.509 92.682,132.636 92.682,132.89 92.555,133.017 92.428,133.017 92.301,133.144 92.301,133.546 92.428,133.673 92.756,133.673 93.033,133.398 v1(101.826,133.398)
D5: CN6.25 R82.1 U11.F5 | length 122.6
  Top Layer w0.127: U11.F5@64.999,102.335 v2(65.341,101.994) ; R82.1@82.7,132.48 83.05,132.128 84.173,132.128 84.808,132.763 v1(85.062,132.763) ; CN6.25@99.865,134.571 v1(101.826,134.569)
  L4_SIG w0.102: v2(65.341,101.994) 67.318,101.994 67.536,101.775 67.536,100.432 68.097,99.873 68.1,99.873 68.412,99.56 72.865,99.56 73.302,99.997 73.302,101.724 74.216,102.639 74.216,104.823 74.877,105.484 78.407,105.484 78.509,105.382 78.509,103.502 78.61,103.401 78.814,103.401 78.915,103.502 78.915,105.382 79.017,105.484 79.22,105.484 79.322,105.382 79.322,103.523 79.423,103.424 79.626,103.424 79.728,103.523 79.728,105.357 79.855,105.484 80.084,105.484 80.185,105.382 80.185,104.747 80.287,104.645 80.49,104.645 80.592,104.747 80.592,105.382 80.693,105.484 80.904,105.484 81.006,105.382 81.006,103.477 81.107,103.375 81.31,103.375 81.412,103.477 81.412,105.331 81.542,105.458 81.824,105.458 81.925,105.357 81.925,104.595 82.027,104.493 82.23,104.493 82.332,104.595 82.332,105.382 82.433,105.484 89.355,105.484 95.781,111.91 95.781,119.225 98.6,122.044 98.6,127.226 100.175,128.801 100.175,133.271 101.473,134.569 v1(101.826,134.569)
  Bottom Layer w0.127: v1(85.062,132.763) 85.062,132.179 84.935,132.052 84.706,132.052 84.579,132.179 84.579,133.373 84.732,133.525 85.443,133.525 85.57,133.398 85.57,130.858 85.697,130.731 85.951,130.731 86.078,130.858 86.078,133.721 85.951,133.848 85.824,133.848 85.697,133.975 85.697,134.229 85.824,134.356 85.951,134.356 86.078,134.483 86.078,135.354 86.205,135.481 86.459,135.481 86.586,135.354 86.586,130.858 86.713,130.731 86.967,130.731 87.094,130.858 87.094,132.738 87.246,132.89 91.793,132.89 91.92,133.017 91.92,134.092 92.222,134.394 92.936,134.394 93.063,134.267 93.063,133.906 93.19,133.779 101.349,133.779 101.603,134.033 102.334,134.033 102.461,134.16 102.461,134.414 102.306,134.569 v1(101.826,134.569)
D6: CN6.24 R79.1 U11.F6 | length 121.9
  Top Layer w0.127: v2(63.878,102.334) U11.F6@64.249,102.335 ; R79.1@82.661,133.473 84.145,133.472 84.706,134.033 v1(84.935,134.033) ; v1(102.969,135.842) 104.965,135.842 CN6.24@104.965,135.841
  L4_SIG w0.102: v2(63.878,102.334) 66.317,104.772 67.434,104.772 67.788,104.422 67.788,100.561 68.483,99.865 72.713,99.865 72.845,99.997 72.845,100.2 72.743,100.302 71.625,100.302 71.498,100.429 71.498,101.166 71.676,101.343 72.895,101.343 72.997,101.445 72.997,101.674 72.895,101.775 72.057,101.775 71.956,101.877 71.956,102.105 72.083,102.232 73.378,102.232 73.911,102.766 73.911,105.024 74.673,105.788 89.205,105.788 95.476,112.06 95.476,119.403 97.312,121.239 97.312,122.423 97.414,122.525 98.041,122.525 98.143,122.626 98.143,122.829 98.041,122.931 97.414,122.931 97.312,123.033 97.312,123.236 97.414,123.337 98.041,123.337 98.143,123.439 98.143,123.642 98.041,123.744 97.414,123.744 97.312,123.845 97.312,126.134 98.194,127.015 98.194,127.376 99.87,129.055 99.87,133.398 101.347,134.874 101.405,134.874 101.708,135.176 102.182,135.176 102.847,135.842 v1(102.969,135.842)
  Bottom Layer w0.127: v1(84.935,134.033) 84.783,134.033 84.605,134.211 84.605,134.668 84.757,134.821 85.57,134.821 85.697,134.948 85.697,135.71 85.849,135.862 86.942,135.862 87.094,135.71 87.094,133.398 87.221,133.271 87.424,133.271 87.551,133.398 87.551,134.16 87.678,134.287 87.932,134.287 88.059,134.16 88.059,133.449 88.237,133.271 91.412,133.271 91.539,133.398 91.539,134.249 92.085,134.795 93.355,134.795 93.482,134.668 93.482,134.287 93.609,134.16 93.863,134.16 93.99,134.287 93.99,134.668 94.117,134.795 94.371,134.795 94.498,134.668 94.498,134.287 94.625,134.16 94.879,134.16 95.006,134.287 95.006,134.668 95.133,134.795 95.387,134.795 95.514,134.668 95.514,134.287 95.641,134.16 95.895,134.16 96.022,134.287 96.022,134.668 96.149,134.795 96.403,134.795 96.53,134.668 96.53,134.287 96.657,134.16 96.911,134.16 97.038,134.287 97.038,134.668 97.165,134.795 97.419,134.795 97.546,134.668 97.546,134.287 97.673,134.16 97.927,134.16 98.054,134.287 98.054,134.668 98.181,134.795 98.435,134.795 98.562,134.668 98.562,134.287 98.689,134.16 98.943,134.16 99.07,134.287 99.07,134.668 99.197,134.795 99.451,134.795 99.578,134.668 99.578,134.287 99.705,134.16 99.959,134.16 100.086,134.287 100.086,134.668 100.213,134.795 100.467,134.795 100.594,134.668 100.594,134.287 100.721,134.16 101.191,134.16 101.318,134.287 101.318,134.922 101.521,135.125 104.874,135.125 105.001,135.252 105.001,135.557 104.874,135.684 103.124,135.684 v1(102.969,135.842)